# KiCad board 8851_HW-U1-VCU118_REV2-0_071417.kicad_pcb (continued)
## Routing (per net, layer and track width the routed paths; a pad name or vN(x,y) marks a point on that pad's centre or on a via; arc(x,y) is an arc through that point) (continued)
FMCP_HSPC_LA23_P: length 160.3
  TOP w0.102: v2(112.44,73.66) 112.93,73.17 ; J22.D23 v3(77.75,159.5)
  14_SIG4 w0.075: 118.66,89.52 118.65,89.51 118.65,89.46 118.42,89.23 118.13,89.23 116.7,87.79 116.7,73.77 116.19,73.27 112.26,73.27 112.04,73.48 112.04,73.59 112.12,73.66 v2(112.44,73.66)
  14_SIG4 w0.087: v3(77.75,159.5) 77.75,159.08 77.65,158.98 77.22,158.98 77.12,159.08 77.12,159.74 77.38,159.99 81.7,159.99 81.99,159.7 81.99,151.49 84.47,149 103.48,149 103.73,149.25 103.73,150.01 103.82,150.1 104.08,150.1 104.17,150.01 104.17,149.25 104.42,149 104.91,149 105.16,149.25 105.16,150.01 105.24,150.1 105.51,150.1 105.59,150.01 105.59,149.25 105.84,149 106.33,149 106.58,149.25 106.58,150.01 106.67,150.1 106.93,150.1 107.02,150.01 107.02,149.25 107.27,149 107.76,149 108.01,149.25 108.01,150.01 108.09,150.1 108.36,150.1 108.44,150.01 108.44,149.25 108.69,149 109.18,149 109.43,149.25 109.43,150.01 109.52,150.1 109.78,150.1 109.87,150.01 109.87,149.25 110.12,149 110.61,149 110.86,149.25 110.86,150.01 110.94,150.1 111.21,150.1 111.29,150.01 111.29,149.25 111.54,149 113.66,149 118.01,144.65 123.5,144.65 127.57,140.58 127.57,132.36 126.58,131.37 126.58,128.6 126.92,128.26 126.92,127.73 127.68,126.97 127.68,126.45 127.57,126.35 126.7,126.35 126.44,126.08 126.44,125.44 126.7,125.18 127.57,125.18 127.68,125.07 127.68,124.64 127.57,124.53 126.7,124.53 126.44,124.27 126.44,123.62 126.7,123.36 127.57,123.36 127.68,123.25 127.68,120.49 126.85,119.66 126.85,111.53 127.66,110.72 127.66,106.99 126.53,105.85 126.53,97.39 118.66,89.52
FMCP_HSPC_LA24_N: length 159
  TOP w0.102: 108.99,76.12 v2(108.5,76.62) ; J22.H29 v3(70.25,164.5)
  14_SIG4 w0.075: v2(108.5,76.62) 108.5,76.3 108.58,76.22 110.63,76.22 110.86,76.45 110.86,76.86 111.21,77.21 112.6,77.21 112.83,77.44 112.83,80.99 112.81,81.01 112.81,83.19 112.83,83.21 112.83,83.98 112.85,84 112.85,85.96 112.81,86 112.81,88.03 112.77,88.07 112.77,88.09
  14_SIG4 w0.087: v3(70.25,164.5) 70.74,164.01 70.74,151.51 71.42,150.83 71.8,150.83 72.12,151.16 72.26,151.16 72.56,150.86 72.56,150.72 72.24,150.4 72.24,150.02 72.7,149.55 73.08,149.55 73.41,149.88 73.55,149.88 73.84,149.58 73.84,149.44 73.52,149.11 73.52,148.73 74.33,147.93 74.33,144.78 74.67,144.43 98.58,144.43 98.82,144.18 98.82,143.9 98.73,143.81 97.85,143.81 97.6,143.56 97.6,143.07 97.85,142.82 98.73,142.82 98.82,142.74 98.82,142.47 98.73,142.39 97.85,142.39 97.6,142.14 97.6,141.65 97.85,141.4 98.73,141.4 98.82,141.31 98.82,140.95 99.07,140.7 99.53,140.7 99.81,140.97 99.81,144.34 99.9,144.43 100.17,144.43 100.35,144.25 100.35,142.5 100.72,142.12 106.35,142.12 106.75,141.73 106.75,140.78 107.34,140.19 107.69,140.19 108.17,140.67 108.29,140.67 108.48,140.48 108.48,140.36 108,139.88 108,139.53 109.52,138 109.87,138 110.5,138.63 110.63,138.63 110.81,138.45 110.81,138.32 110.18,137.69 110.18,137.34 111.01,136.52 111.01,133.44 113.5,130.95 119.62,130.95 120.62,129.95 120.62,123.03 121.58,122.08 121.58,110.46 120.96,109.84 120.96,101.7 119.89,100.62 119.89,99.85 118.43,98.39 118.43,97.49 117.19,96.25 115.57,96.25 114.18,94.86 114.18,90.07 112.77,88.66 112.77,88.09
FMCP_HSPC_LA24_P: length 159.6
  TOP w0.102: J22.H28 v3(71.5,164.5) ; 108.99,75.14 v2(108.5,75.63)
  14_SIG4 w0.075: v2(108.5,75.63) 108.5,75.95 108.58,76.03 110.71,76.03 111.06,76.37 111.06,76.78 111.29,77.01 112.68,77.01 113.03,77.36 113.03,81.07 113.01,81.09 113.01,83.11 113.03,83.13 113.03,83.9 113.05,83.92 113.05,86.04 113.01,86.08 113.01,88.03 113.05,88.07 113.05,88.09
  14_SIG4 w0.087: v3(71.5,164.5) 71.1,164.5 71.01,164.41 71.01,151.63 71.53,151.11 71.68,151.11 72.01,151.43 72.38,151.43 72.84,150.98 72.84,150.61 72.51,150.28 72.51,150.13 72.81,149.83 72.97,149.83 73.29,150.15 73.66,150.15 74.12,149.69 74.12,149.32 73.79,149 73.79,148.85 74.6,148.04 74.6,144.89 74.79,144.7 98.69,144.7 99.1,144.29 99.1,143.79 98.85,143.54 97.96,143.54 97.88,143.45 97.88,143.19 97.96,143.1 98.85,143.1 99.1,142.85 99.1,142.36 98.85,142.11 97.96,142.11 97.88,142.02 97.88,141.76 97.96,141.67 98.85,141.67 99.1,141.43 99.1,141.06 99.18,140.98 99.42,140.98 99.53,141.09 99.53,144.45 99.78,144.7 100.29,144.7 100.62,144.36 100.62,142.61 100.84,142.4 106.46,142.4 107.03,141.84 107.03,140.89 107.45,140.46 107.58,140.46 108.06,140.94 108.41,140.94 108.75,140.6 108.75,140.24 108.27,139.76 108.27,139.64 109.64,138.28 109.76,138.28 110.39,138.91 110.74,138.91 111.09,138.56 111.09,138.21 110.46,137.58 110.46,137.46 111.28,136.63 111.28,133.56 113.61,131.23 119.74,131.23 120.9,130.06 120.9,123.15 121.86,122.19 121.86,110.34 121.24,109.72 121.24,101.59 120.16,100.51 120.16,99.74 118.71,98.28 118.71,97.38 117.3,95.97 115.69,95.97 114.46,94.75 114.46,89.96 113.05,88.55 113.05,88.09
FMCP_HSPC_LA25_N: length 160.7
  TOP w0.102: v2(111.45,75.63) 111.95,75.14 ; J22.G28 v3(71.5,163.25)
  14_SIG4 w0.075: v2(111.45,75.63) 111.77,75.63 111.85,75.71 111.85,75.89 112.18,76.22 113.59,76.22 113.82,76.45 113.82,81.19 113.83,81.21 113.83,82.88 113.82,82.89 113.82,83.96 113.8,83.98 113.8,85.98 113.84,86.02 113.84,87.97 113.8,88.01 113.8,88.03
  14_SIG4 w0.087: v3(71.5,163.25) 71.72,163.48 71.95,163.48 72.15,163.28 72.15,163.04 71.99,162.88 71.99,152.72 75.67,149.03 75.67,146.09 76.44,145.33 100.86,145.33 101.25,144.94 101.25,143.36 101.59,143.03 102.45,143.03 102.7,143.27 102.7,145.16 102.79,145.25 103.05,145.25 103.14,145.16 103.14,143.27 103.38,143.03 103.87,143.03 104.12,143.27 104.12,145.16 104.21,145.25 104.47,145.25 104.56,145.16 104.56,143.27 104.81,143.03 105.3,143.03 105.55,143.27 105.55,145.16 105.64,145.25 105.9,145.25 105.99,145.16 105.99,143.27 106.23,143.03 107.25,143.03 110.15,140.12 112.89,140.12 113.17,139.85 113.17,139.37 113.06,139.26 112.29,139.26 112.03,139 112.03,138.35 112.29,138.09 113.06,138.09 113.17,137.98 113.17,137.55 113.06,137.44 112.29,137.44 112.03,137.18 112.03,136.53 112.29,136.27 113.06,136.27 113.17,136.17 113.17,135.74 113.06,135.63 112.29,135.63 112.03,135.37 112.03,134.72 112.29,134.46 113.06,134.46 113.17,134.35 113.17,133.02 114.24,131.94 119.01,131.94 119.42,132.36 119.42,133.81 119.51,133.9 120.16,133.9 120.25,133.81 120.25,131.65 121.51,130.39 121.51,123.47 122.47,122.5 122.47,108.32 122.54,108.25 122.54,97.16 113.8,88.42 113.8,88.03
FMCP_HSPC_LA25_P: length 160
  TOP w0.102: J22.G27 v3(72.75,163.25) ; v2(112.44,75.63) 112.93,75.14
  14_SIG4 w0.075: 114.07,88.03 114.07,88.01 114.03,87.97 114.03,85.94 113.99,85.9 113.99,84.06 114.01,84.04 114.01,82.97 114.03,82.96 114.03,81.13 114.01,81.11 114.01,76.37 113.67,76.03 112.26,76.03 112.04,75.81 112.04,75.71 112.12,75.63 v2(112.44,75.63)
  14_SIG4 w0.087: v3(72.75,163.25) 72.26,162.76 72.26,152.83 75.95,149.14 75.95,146.2 76.55,145.6 100.97,145.6 101.53,145.05 101.53,143.48 101.7,143.3 102.34,143.3 102.42,143.39 102.42,145.28 102.67,145.53 103.16,145.53 103.41,145.28 103.41,143.39 103.5,143.3 103.76,143.3 103.85,143.39 103.85,145.28 104.1,145.53 104.59,145.53 104.84,145.28 104.84,143.39 104.92,143.3 105.19,143.3 105.27,143.39 105.27,145.28 105.52,145.53 106.01,145.53 106.26,145.28 106.26,143.39 106.35,143.3 107.36,143.3 110.26,140.4 113.01,140.4 113.44,139.96 113.44,139.25 113.17,138.98 112.4,138.98 112.3,138.88 112.3,138.46 112.4,138.36 113.17,138.36 113.44,138.09 113.44,137.44 113.17,137.17 112.4,137.17 112.3,137.07 112.3,136.65 112.4,136.55 113.17,136.55 113.44,136.28 113.44,135.62 113.17,135.35 112.4,135.35 112.3,135.25 112.3,134.83 112.4,134.73 113.17,134.73 113.44,134.46 113.44,133.13 114.36,132.22 118.89,132.22 119.15,132.47 119.15,133.93 119.4,134.18 120.28,134.18 120.53,133.93 120.53,131.76 121.79,130.5 121.79,123.58 122.75,122.62 122.75,108.43 122.81,108.37 122.81,97.05 114.07,88.31 114.07,88.03
FMCP_HSPC_LA26_N: length 159.8
  TOP w0.102: J22.D27 v3(72.75,159.5) ; 109.98,74.16 v2(109.49,74.65)
  14_SIG4 w0.075: 116.52,88.69 116.51,88.67 116.51,88.62 115.86,87.97 115.86,74.56 115.55,74.25 109.88,74.25 v2(109.49,74.65)
  14_SIG4 w0.087: 116.52,88.69 124.95,97.12 124.95,99.31 125.38,99.74 125.38,108.27 124.21,109.43 124.21,125.61 123.58,126.25 123.58,131.22 123.14,131.66 123.14,133.13 122.51,133.75 122.51,137.96 121.72,138.76 121.48,138.76 120.44,137.72 119.97,137.72 119.58,138.12 119.58,138.51 120.51,139.45 120.51,139.6 120.21,139.9 120.06,139.9 119.5,139.34 119.13,139.34 118.67,139.8 118.67,140.17 119.23,140.73 119.23,140.88 118.93,141.19 118.77,141.19 117.89,140.3 117.46,140.3 117.03,140.73 117.03,141.1 117.95,142.01 117.95,142.16 117.64,142.47 117.49,142.47 116.93,141.91 116.56,141.91 116.11,142.37 116.11,142.74 116.66,143.3 116.66,143.45 115.63,144.48 114.06,144.48 113.66,144.88 113.53,144.88 112.65,144 112.3,144 111.96,144.34 111.96,144.7 112.84,145.58 112.84,145.7 112.65,145.89 112.53,145.89 111.65,145.01 111.29,145.01 110.95,145.35 110.95,145.7 111.83,146.58 111.83,146.71 111.39,147.15 80.06,147.15 77.79,149.42 77.79,149.77 78.62,150.6 78.62,150.72 78.43,150.91 78.31,150.91 77.48,150.08 77.13,150.08 76.78,150.42 76.78,150.78 77.61,151.6 77.61,151.73 77.42,151.91 77.3,151.91 76.47,151.09 76.12,151.09 74.49,152.72 74.49,158.45 74.2,158.74 73.67,158.74 73.24,159.18 73.24,159.69 73.17,159.75 73,159.75 v3(72.75,159.5)
FMCP_HSPC_LA26_P: length 158.8
  TOP w0.102: J22.D26 v3(74,159.5) ; v2(110.47,73.66) 110.96,73.17
  14_SIG4 w0.075: 116.72,88.49 116.7,88.48 116.65,88.48 116.06,87.89 116.06,74.48 115.64,74.06 110.86,74.06 v2(110.47,73.66)
  14_SIG4 w0.087: 116.72,88.49 125.23,97 125.23,99.2 125.65,99.62 125.65,108.38 124.49,109.54 124.49,125.73 123.85,126.36 123.85,131.34 123.41,131.77 123.41,133.24 122.79,133.87 122.79,138.08 121.83,139.03 121.37,139.03 120.33,138 120.08,138 119.85,138.23 119.85,138.39 120.79,139.33 120.79,139.71 120.32,140.18 119.94,140.18 119.39,139.62 119.24,139.62 118.95,139.92 118.95,140.06 119.51,140.61 119.51,140.99 119.04,141.46 118.66,141.46 117.78,140.58 117.57,140.58 117.31,140.84 117.31,140.98 118.22,141.9 118.22,142.28 117.76,142.74 117.38,142.74 116.82,142.19 116.68,142.19 116.38,142.48 116.38,142.62 116.94,143.18 116.94,143.56 115.75,144.75 114.17,144.75 113.77,145.15 113.42,145.15 112.54,144.27 112.42,144.27 112.23,144.46 112.23,144.58 113.11,145.46 113.11,145.81 112.76,146.16 112.41,146.16 111.53,145.28 111.41,145.28 111.22,145.47 111.22,145.59 112.1,146.47 112.1,146.82 111.5,147.43 80.17,147.43 78.06,149.53 78.06,149.65 78.89,150.48 78.89,150.83 78.54,151.18 78.19,151.18 77.37,150.35 77.24,150.35 77.06,150.54 77.06,150.66 77.88,151.49 77.88,151.84 77.54,152.19 77.19,152.19 76.36,151.36 76.23,151.36 74.76,152.83 74.76,158.57 74.32,159.01 73.79,159.01 73.51,159.29 73.51,159.41 73.6,159.5 v3(74,159.5)
FMCP_HSPC_LA27_N: length 159.2
  TOP w0.102: v2(110.47,75.63) 110.96,75.14 ; J22.C27 v3(72.75,158.25)
  14_SIG4 w0.075: 115.39,88.78 115.38,88.77 115.38,88.71 114.78,88.12 114.78,85.99 114.82,85.95 114.82,84.02 114.8,84.01 114.8,83.05 114.78,83.03 114.78,81.07 114.8,81.05 114.8,75.47 114.57,75.24 110.54,75.24 110.47,75.31 v2(110.47,75.63)
  14_SIG4 w0.087: v3(72.75,158.25) 72.75,158.55 72.83,158.62 73.22,158.62 73.4,158.45 73.4,158.04 73.24,157.88 73.24,152.72 76.75,149.21 76.75,146.71 77.21,146.25 78.03,146.25 78.28,146.5 78.28,147.09 78.37,147.18 78.63,147.18 78.72,147.09 78.72,146.5 78.97,146.25 106.14,146.25 107.2,145.19 107.55,145.19 108.59,146.23 108.71,146.23 108.89,146.04 108.89,145.92 107.51,144.53 107.51,144.06 107.8,143.77 108.15,143.77 109.59,145.22 109.72,145.22 109.9,145.03 109.9,144.91 108.44,143.45 108.44,143.1 108.76,142.77 109.16,142.77 110.6,144.21 110.72,144.21 110.91,144.03 110.91,143.9 109.47,142.46 109.47,142.11 109.77,141.82 110.22,141.82 111.61,143.2 111.73,143.2 111.92,143.02 111.92,142.89 110.88,141.86 110.88,141.51 111.31,141.08 113.27,141.08 114.59,142.4 114.84,142.4 115.11,142.13 115.11,142.01 114.01,140.9 114.01,140.53 114.46,140.07 114.83,140.07 115.6,140.84 115.75,140.84 116.05,140.53 116.05,140.38 114.8,139.13 114.8,138.63 115.08,138.35 117.61,138.35 121.59,134.38 121.59,131.85 122.68,130.76 122.68,125.86 123.35,125.19 123.35,109.05 123.99,108.41 123.99,97.38 115.39,88.78
FMCP_HSPC_LA27_P: length 158.4
  TOP w0.102: J22.C26 v3(74,158.25) ; v2(110.47,74.65) 110.96,74.16
  14_SIG4 w0.075: v2(110.47,74.65) 110.47,74.97 110.54,75.04 114.65,75.04 115,75.39 115,81.13 114.98,81.15 114.98,82.95 115,82.97 115,83.92 115.01,83.94 115.01,86.04 114.98,86.07 114.98,88.04 115.52,88.58 115.57,88.58 115.59,88.59
  14_SIG4 w0.087: 115.59,88.59 124.26,97.26 124.26,108.52 123.62,109.16 123.62,125.3 122.96,125.97 122.96,130.87 121.86,131.96 121.86,134.49 117.73,138.63 115.2,138.63 115.08,138.74 115.08,139.02 116.33,140.27 116.33,140.65 115.86,141.11 115.48,141.11 114.72,140.35 114.58,140.35 114.28,140.65 114.28,140.79 115.38,141.89 115.38,142.24 114.95,142.67 114.47,142.67 113.15,141.35 111.42,141.35 111.16,141.62 111.16,141.74 112.19,142.78 112.19,143.13 111.85,143.48 111.49,143.48 110.11,142.09 109.88,142.09 109.75,142.23 109.75,142.35 111.19,143.79 111.19,144.14 110.84,144.49 110.49,144.49 109.05,143.05 108.88,143.05 108.72,143.21 108.72,143.33 110.18,144.8 110.18,145.15 109.83,145.49 109.48,145.49 108.03,144.05 107.91,144.05 107.79,144.17 107.79,144.42 109.17,145.8 109.17,146.16 108.82,146.5 108.47,146.5 107.43,145.46 107.31,145.46 106.25,146.53 79.08,146.53 78.99,146.61 78.99,147.2 78.74,147.45 78.25,147.45 78,147.2 78,146.61 77.92,146.53 77.33,146.53 77.03,146.83 77.03,149.33 73.51,152.84 73.51,157.76 v3(74,158.25)
FMCP_HSPC_LA28_N: length 154.1
  TOP w0.102: 104.07,77.11 v2(103.58,77.6) ; J22.H32 v3(66.5,164.5)
  14_SIG4 w0.075: 110.81,88.17 110.81,88.15 110.85,88.11 110.85,85.95 110.86,85.94 110.86,83.04 110.85,83.02 110.85,81.15 110.86,81.14 110.86,79.41 110.63,79.18 109.24,79.18 108.9,78.83 108.9,78.42 108.66,78.19 104.3,78.19 103.97,77.86 103.97,77.68 103.9,77.6 v2(103.58,77.6)
  14_SIG4 w0.087: v3(66.5,164.5) 66.9,164.5 66.99,164.41 66.99,150.96 67.46,150.49 67.83,150.49 68.35,151.02 68.5,151.02 68.81,150.72 68.81,150.56 68.28,150.04 68.28,149.67 68.74,149.21 69.11,149.21 69.64,149.74 69.79,149.74 70.09,149.43 70.09,149.28 69.57,148.75 69.57,148.38 70.67,147.28 70.67,143 71.08,142.6 95.03,142.6 95.7,141.93 95.7,138.15 95.95,137.9 96.82,137.9 97.07,138.15 97.07,139.01 97.16,139.1 97.42,139.1 97.51,139.01 97.51,138.15 97.75,137.9 99.18,137.9 99.42,138.15 99.42,138.71 99.51,138.8 103.74,138.8 103.82,138.71 103.82,138.37 104.07,138.12 104.56,138.12 104.81,138.37 104.81,138.71 104.9,138.8 106.03,138.8 109.22,135.6 109.22,132.5 112.64,129.08 114.45,129.08 114.56,128.97 114.56,128.78 114.82,128.52 115.46,128.52 115.73,128.78 115.73,128.97 115.83,129.08 116.26,129.08 116.37,128.97 116.37,128.78 116.63,128.52 117.28,128.52 117.54,128.78 117.54,128.97 117.65,129.08 118.17,129.08 118.62,128.63 118.62,119.64 118.97,119.29 118.97,109.84 118.62,109.49 118.62,102.67 116.96,101.01 115.88,101.01 115.25,100.38 115.25,99.49 113.8,98.05 113.8,97.7 113.28,97.18 112.79,97.18 112.22,96.61 112.22,90.74 110.81,89.33 110.81,88.17
FMCP_HSPC_LA28_P: length 154.1
  TOP w0.102: J22.H31 v3(67.75,164.5) ; 105.06,77.11 v2(104.56,77.6)
  14_SIG4 w0.075: 111.08,88.17 111.08,88.15 111.04,88.11 111.04,86.03 111.06,86.02 111.06,82.96 111.04,82.94 111.04,81.23 111.06,81.22 111.06,79.33 110.71,78.98 109.32,78.98 109.09,78.75 109.09,78.34 108.75,78 104.38,78 104.17,77.78 104.17,77.68 104.24,77.6 v2(104.56,77.6)
  14_SIG4 w0.087: v3(67.75,164.5) 67.35,164.5 67.26,164.41 67.26,151.08 67.57,150.77 67.71,150.77 68.24,151.3 68.62,151.3 69.08,150.83 69.08,150.45 68.56,149.92 68.56,149.78 68.85,149.49 69,149.49 69.52,150.01 69.9,150.01 70.37,149.55 70.37,149.17 69.84,148.64 69.84,148.5 70.95,147.39 70.95,143.11 71.19,142.88 95.14,142.88 95.97,142.04 95.97,138.26 96.06,138.18 96.71,138.18 96.79,138.26 96.79,139.13 97.04,139.38 97.53,139.38 97.78,139.13 97.78,138.26 97.87,138.18 99.06,138.18 99.15,138.26 99.15,138.83 99.4,139.08 103.85,139.08 104.1,138.83 104.1,138.49 104.19,138.4 104.45,138.4 104.54,138.49 104.54,138.83 104.79,139.08 106.14,139.08 109.5,135.72 109.5,132.62 112.76,129.36 114.56,129.36 114.83,129.09 114.83,128.89 114.93,128.79 115.35,128.79 115.45,128.89 115.45,129.09 115.72,129.36 116.38,129.36 116.65,129.09 116.65,128.89 116.75,128.79 117.16,128.79 117.27,128.89 117.27,129.09 117.53,129.36 118.29,129.36 118.9,128.74 118.9,119.75 119.25,119.4 119.25,109.72 118.9,109.38 118.9,102.56 117.08,100.74 116,100.74 115.53,100.27 115.53,99.38 114.08,97.93 114.08,97.59 113.4,96.9 112.91,96.9 112.5,96.49 112.5,90.63 111.08,89.21 111.08,88.17
FMCP_HSPC_LA29_N: length 158.8
  TOP w0.102: 108.99,77.11 v2(108.5,77.6) ; J22.G31 v3(67.75,163.25)
  14_SIG4 w0.075: v2(108.5,77.6) 108.9,77.21 109.68,77.21 109.88,77.41 109.88,77.85 110.23,78.19 111.62,78.19 111.85,78.42 111.85,80.98 111.87,81 111.87,82.96 111.85,82.98 111.85,84.05 111.83,84.07 111.83,86 111.87,86.04 111.87,88.14 111.83,88.18 111.83,88.2
  14_SIG4 w0.087: v3(67.75,163.25) 68.24,162.76 68.24,152.78 71.54,149.47 71.54,149.32 71.02,148.8 71.02,148.38 71.58,147.83 71.58,143.81 71.84,143.55 72.61,143.55 72.86,143.8 72.86,147.69 72.95,147.78 73.21,147.78 73.3,147.69 73.3,143.8 73.54,143.55 96,143.55 96.72,142.83 96.72,140.55 97.25,140.03 98.47,140.03 98.83,139.68 100.43,139.68 100.67,139.92 100.67,141.16 100.76,141.25 101.02,141.25 101.11,141.16 101.11,139.92 101.36,139.68 101.85,139.68 102.1,139.92 102.1,141.16 102.19,141.25 102.45,141.25 102.54,141.16 102.54,139.92 102.79,139.68 103.28,139.68 103.52,139.92 103.52,141.16 103.61,141.25 103.87,141.25 103.96,141.16 103.96,139.92 104.21,139.68 104.7,139.68 104.95,139.92 104.95,141.16 105.04,141.25 105.3,141.25 105.39,141.16 105.39,139.92 105.64,139.68 106.45,139.68 110.14,135.98 110.14,132.83 112.93,130.04 119.17,130.04 119.5,129.72 119.5,120.42 119.85,120.08 119.85,109.38 119.5,109.02 119.5,101.55 118.34,100.38 118.34,100.01 116.83,98.49 116.83,97.56 116.39,97.12 115.22,97.12 113.31,95.21 113.31,90.5 111.83,89.02 111.83,88.2
FMCP_HSPC_LA29_P: length 158.6
  TOP w0.102: 109.98,76.12 v2(109.49,76.62) ; J22.G30 v3(69,163.25)
  14_SIG4 w0.075: v2(109.49,76.62) 109.49,76.94 109.56,77.01 109.76,77.01 110.07,77.32 110.07,77.76 110.31,78 111.7,78 112.04,78.34 112.04,80.9 112.06,80.92 112.06,83.04 112.04,83.06 112.04,84.13 112.02,84.15 112.02,85.92 112.06,85.96 112.06,88.14 112.1,88.18 112.1,88.2
  14_SIG4 w0.087: v3(69,163.25) 68.6,163.25 68.51,163.16 68.51,152.89 71.81,149.59 71.81,149.21 71.3,148.69 71.3,148.5 71.85,147.94 71.85,143.93 71.95,143.83 72.5,143.83 72.58,143.91 72.58,147.8 72.83,148.05 73.32,148.05 73.57,147.8 73.57,143.91 73.66,143.83 96.11,143.83 97,142.94 97,140.66 97.36,140.3 98.59,140.3 98.94,139.95 100.31,139.95 100.4,140.04 100.4,141.28 100.65,141.53 101.14,141.53 101.39,141.28 101.39,140.04 101.47,139.95 101.74,139.95 101.82,140.04 101.82,141.28 102.07,141.53 102.56,141.53 102.81,141.28 102.81,140.04 102.9,139.95 103.16,139.95 103.25,140.04 103.25,141.28 103.5,141.53 103.99,141.53 104.24,141.28 104.24,140.04 104.32,139.95 104.59,139.95 104.67,140.04 104.67,141.28 104.92,141.53 105.41,141.53 105.66,141.28 105.66,140.04 105.75,139.95 106.56,139.95 110.42,136.1 110.42,132.95 113.05,130.32 119.29,130.32 119.78,129.83 119.78,120.54 120.12,120.19 120.12,109.26 119.78,108.91 119.78,101.43 118.61,100.27 118.61,99.89 117.1,98.38 117.1,97.44 116.51,96.85 115.33,96.85 113.58,95.1 113.58,90.39 112.1,88.91 112.1,88.2
FMCP_HSPC_LA30_N: length 154.2
  TOP w0.102: J22.H35 v3(62.75,164.5) ; v2(104.56,79.57) 105.06,79.08
  14_SIG4 w0.075: v2(104.56,79.57) 104.88,79.57 104.96,79.64 104.96,79.83 105.29,80.16 106.7,80.16 106.93,80.39 106.93,80.8 107.27,81.14 108.66,81.14 108.88,81.36 108.88,82.88 108.91,82.91 108.91,84.89 108.9,84.9 108.9,85.98 108.88,85.99 108.88,87.99 108.84,88.03 108.84,88.05
  14_SIG4 w0.087: 108.84,88.05 108.84,89.93 110.05,91.15 110.05,97.05 111.99,98.98 112.37,99.36 112.37,100.44 113,101.08 113.24,101.08 116.78,104.62 116.78,108.72 116.42,109.08 116.42,126.51 116.22,126.71 115.06,126.71 114.55,126.2 112.06,126.2 109.75,128.51 109.75,129.5 107.28,131.97 107.28,132.72 106.44,133.56 106.44,133.93 107.25,134.73 107.25,134.88 106.94,135.18 106.79,135.18 105.99,134.38 105.62,134.38 105.16,134.84 105.16,135.21 105.96,136.01 105.96,136.16 105.66,136.47 105.51,136.47 104.59,135.55 103.53,135.55 102.97,136.1 94.26,136.1 93.92,136.44 93.92,137.78 93.76,137.94 90.5,137.94 90.25,138.19 90.25,138.77 90.5,139.01 93.84,139.01 93.92,139.1 93.92,139.53 93.8,139.65 90.55,139.65 90.25,139.95 90.25,140.65 90.05,140.85 67.58,140.85 67.2,141.23 67.2,143.21 67.45,143.46 68.29,143.46 68.38,143.54 68.38,143.89 68.29,143.98 67.45,143.98 67.2,144.23 67.2,146.42 64.21,149.41 64.21,151.56 63.24,152.54 63.24,164.41 63.15,164.5 v3(62.75,164.5)
FMCP_HSPC_LA30_P: length 154.1
  TOP w0.102: v2(105.55,79.57) 106.04,79.08 ; J22.H34 v3(64,164.5)
  14_SIG4 w0.075: 109.11,88.05 109.11,88.03 109.07,87.99 109.07,86.07 109.09,86.06 109.09,84.99 109.11,84.97 109.11,82.83 109.07,82.8 109.07,81.28 108.75,80.95 107.35,80.95 107.12,80.72 107.12,80.31 106.78,79.96 105.37,79.96 105.15,79.75 105.15,79.64 105.23,79.57 v2(105.55,79.57)
  14_SIG4 w0.087: 109.11,88.05 109.11,89.82 110.33,91.04 110.33,96.93 112.27,98.87 112.65,99.25 112.65,100.33 113.12,100.8 113.35,100.8 117.05,104.5 117.05,108.84 116.69,109.2 116.69,126.63 116.34,126.98 114.94,126.98 114.44,126.47 112.18,126.47 110.03,128.63 110.03,129.61 107.56,132.08 107.56,132.83 106.72,133.67 106.72,133.81 107.52,134.61 107.52,134.99 107.06,135.46 106.68,135.46 105.87,134.66 105.73,134.66 105.44,134.95 105.44,135.1 106.24,135.9 106.24,136.28 105.77,136.74 105.39,136.74 104.47,135.83 103.64,135.83 103.09,136.38 94.38,136.38 94.2,136.55 94.2,137.89 93.88,138.21 90.61,138.21 90.53,138.3 90.53,138.65 90.61,138.74 93.95,138.74 94.2,138.99 94.2,139.64 93.91,139.93 90.66,139.93 90.53,140.06 90.53,140.76 90.16,141.12 67.69,141.12 67.47,141.34 67.47,143.09 67.56,143.18 68.4,143.18 68.65,143.43 68.65,144.01 68.4,144.26 67.56,144.26 67.47,144.34 67.47,146.54 64.49,149.53 64.49,151.68 63.51,152.65 63.51,164.29 63.73,164.5 v3(64,164.5)
FMCP_HSPC_LA31_N: length 154.4
  TOP w0.102: J22.G34 v3(64,163.25) ; 106.04,78.09 v2(105.55,78.59)
  14_SIG4 w0.075: v2(105.55,78.59) 105.87,78.59 105.94,78.66 105.94,78.94 106.17,79.18 107.68,79.18 107.91,79.41 107.91,79.81 108.26,80.16 109.65,80.16 109.88,80.39 109.88,81.13 109.9,81.15 109.9,82.95 109.88,82.97 109.88,85.83 109.9,85.85 109.9,88.12 109.86,88.16 109.86,88.17
  14_SIG4 w0.087: v3(64,163.25) 64.4,163.25 64.49,163.16 64.49,152.83 65.58,151.73 65.58,149.32 66.04,148.86 67.83,148.86 68.21,148.48 68.21,148.35 67.54,147.69 67.54,147.33 67.89,146.99 68.24,146.99 68.91,147.65 69.03,147.65 69.67,147.01 69.67,146.41 69.59,146.32 68.35,146.32 68.1,146.08 68.1,145.59 68.35,145.34 69.59,145.34 69.67,145.25 69.67,142.06 70.01,141.73 91.32,141.73 91.4,141.64 91.4,140.77 91.65,140.53 92.23,140.53 92.48,140.77 92.48,141.64 92.57,141.73 92.92,141.73 93,141.64 93,140.77 93.25,140.53 93.83,140.53 94.08,140.77 94.08,141.64 94.17,141.73 94.55,141.73 94.83,141.45 94.83,137.34 95.19,136.97 100.03,136.97 100.28,137.22 100.28,137.84 100.37,137.93 100.63,137.93 100.72,137.84 100.72,137.22 100.96,136.97 101.46,136.97 101.7,137.22 101.7,137.84 101.79,137.93 102.05,137.93 102.14,137.84 102.14,137.22 102.39,136.97 103.4,136.97 103.7,136.68 104.34,136.68 105.29,137.62 105.88,137.62 108.1,135.41 108.11,135.41 108.2,135.31 108.2,132.27 110.62,129.85 110.62,128.89 112.44,127.08 114.06,127.08 114.64,127.65 117.04,127.65 117.33,127.36 117.33,121.58 117.34,121.57 117.34,109.64 117.7,109.28 117.7,103.54 116.86,102.7 116.11,102.7 113.83,100.41 113.83,99.6 112.66,98.43 110.98,96.75 110.98,90.77 109.86,89.65 109.86,88.17
FMCP_HSPC_LA31_P: length 154.4
  TOP w0.102: 107.02,78.09 v2(106.53,78.59) ; J22.G33 v3(65.25,163.25)
  14_SIG4 w0.075: 110.13,88.17 110.13,88.16 110.09,88.12 110.09,85.77 110.07,85.75 110.07,83.05 110.09,83.03 110.09,81.07 110.07,81.05 110.07,80.31 109.73,79.96 108.34,79.96 108.11,79.73 108.11,79.33 107.76,78.98 106.26,78.98 106.14,78.86 106.14,78.66 106.21,78.59 v2(106.53,78.59)
  14_SIG4 w0.087: 110.13,88.17 110.13,89.53 111.25,90.65 111.25,96.63 114.1,99.48 114.1,100.3 116.23,102.42 116.97,102.42 117.97,103.42 117.97,109.4 117.61,109.76 117.61,121.68 117.6,121.69 117.6,127.47 117.15,127.92 114.53,127.92 113.95,127.35 112.55,127.35 110.9,129 110.9,129.96 108.47,132.39 108.47,135.43 108.3,135.6 108.3,135.6 106,137.9 105.17,137.9 104.22,136.95 103.81,136.95 103.51,137.25 102.5,137.25 102.42,137.34 102.42,137.95 102.17,138.2 101.68,138.2 101.43,137.95 101.43,137.34 101.34,137.25 101.08,137.25 100.99,137.34 100.99,137.95 100.74,138.2 100.25,138.2 100,137.95 100,137.34 99.92,137.25 95.3,137.25 95.1,137.45 95.1,141.56 94.66,142 94.05,142 93.8,141.75 93.8,140.89 93.72,140.8 93.37,140.8 93.28,140.89 93.28,141.75 93.03,142 92.45,142 92.2,141.75 92.2,140.89 92.12,140.8 91.77,140.8 91.68,140.89 91.68,141.75 91.43,142 70.13,142 69.95,142.18 69.95,145.36 69.7,145.61 68.46,145.61 68.38,145.7 68.38,145.96 68.46,146.05 69.7,146.05 69.95,146.3 69.95,147.12 69.14,147.93 68.79,147.93 68.13,147.26 68,147.26 67.82,147.45 67.82,147.57 68.48,148.24 68.48,148.59 67.94,149.13 66.15,149.13 65.85,149.43 65.85,151.85 64.76,152.94 64.76,163.14 64.88,163.25 v3(65.25,163.25)
FMCP_HSPC_LA32_N: length 156.1
  TOP w0.102: 103.09,74.16 v2(102.6,74.65) ; J22.H38 v3(59,164.5)
  14_SIG4 w0.075: v2(102.6,74.65) 102.92,74.65 102.99,74.72 102.99,74.83 102.78,75.04 102.35,75.04 102.01,75.39 102.01,80.8 102.35,81.14 102.76,81.14 102.99,81.37 102.99,81.78 103.34,82.13 104.73,82.13 104.96,82.36 104.96,82.77 105.3,83.11 105.71,83.11 105.92,83.32 105.92,84.75 106.27,85.1 106.71,85.1 106.93,85.31 106.93,86 106.91,86.02 106.91,87.94 106.87,87.98 106.87,88